# Allegro board reComputer J202_V1.0.brd (continued)
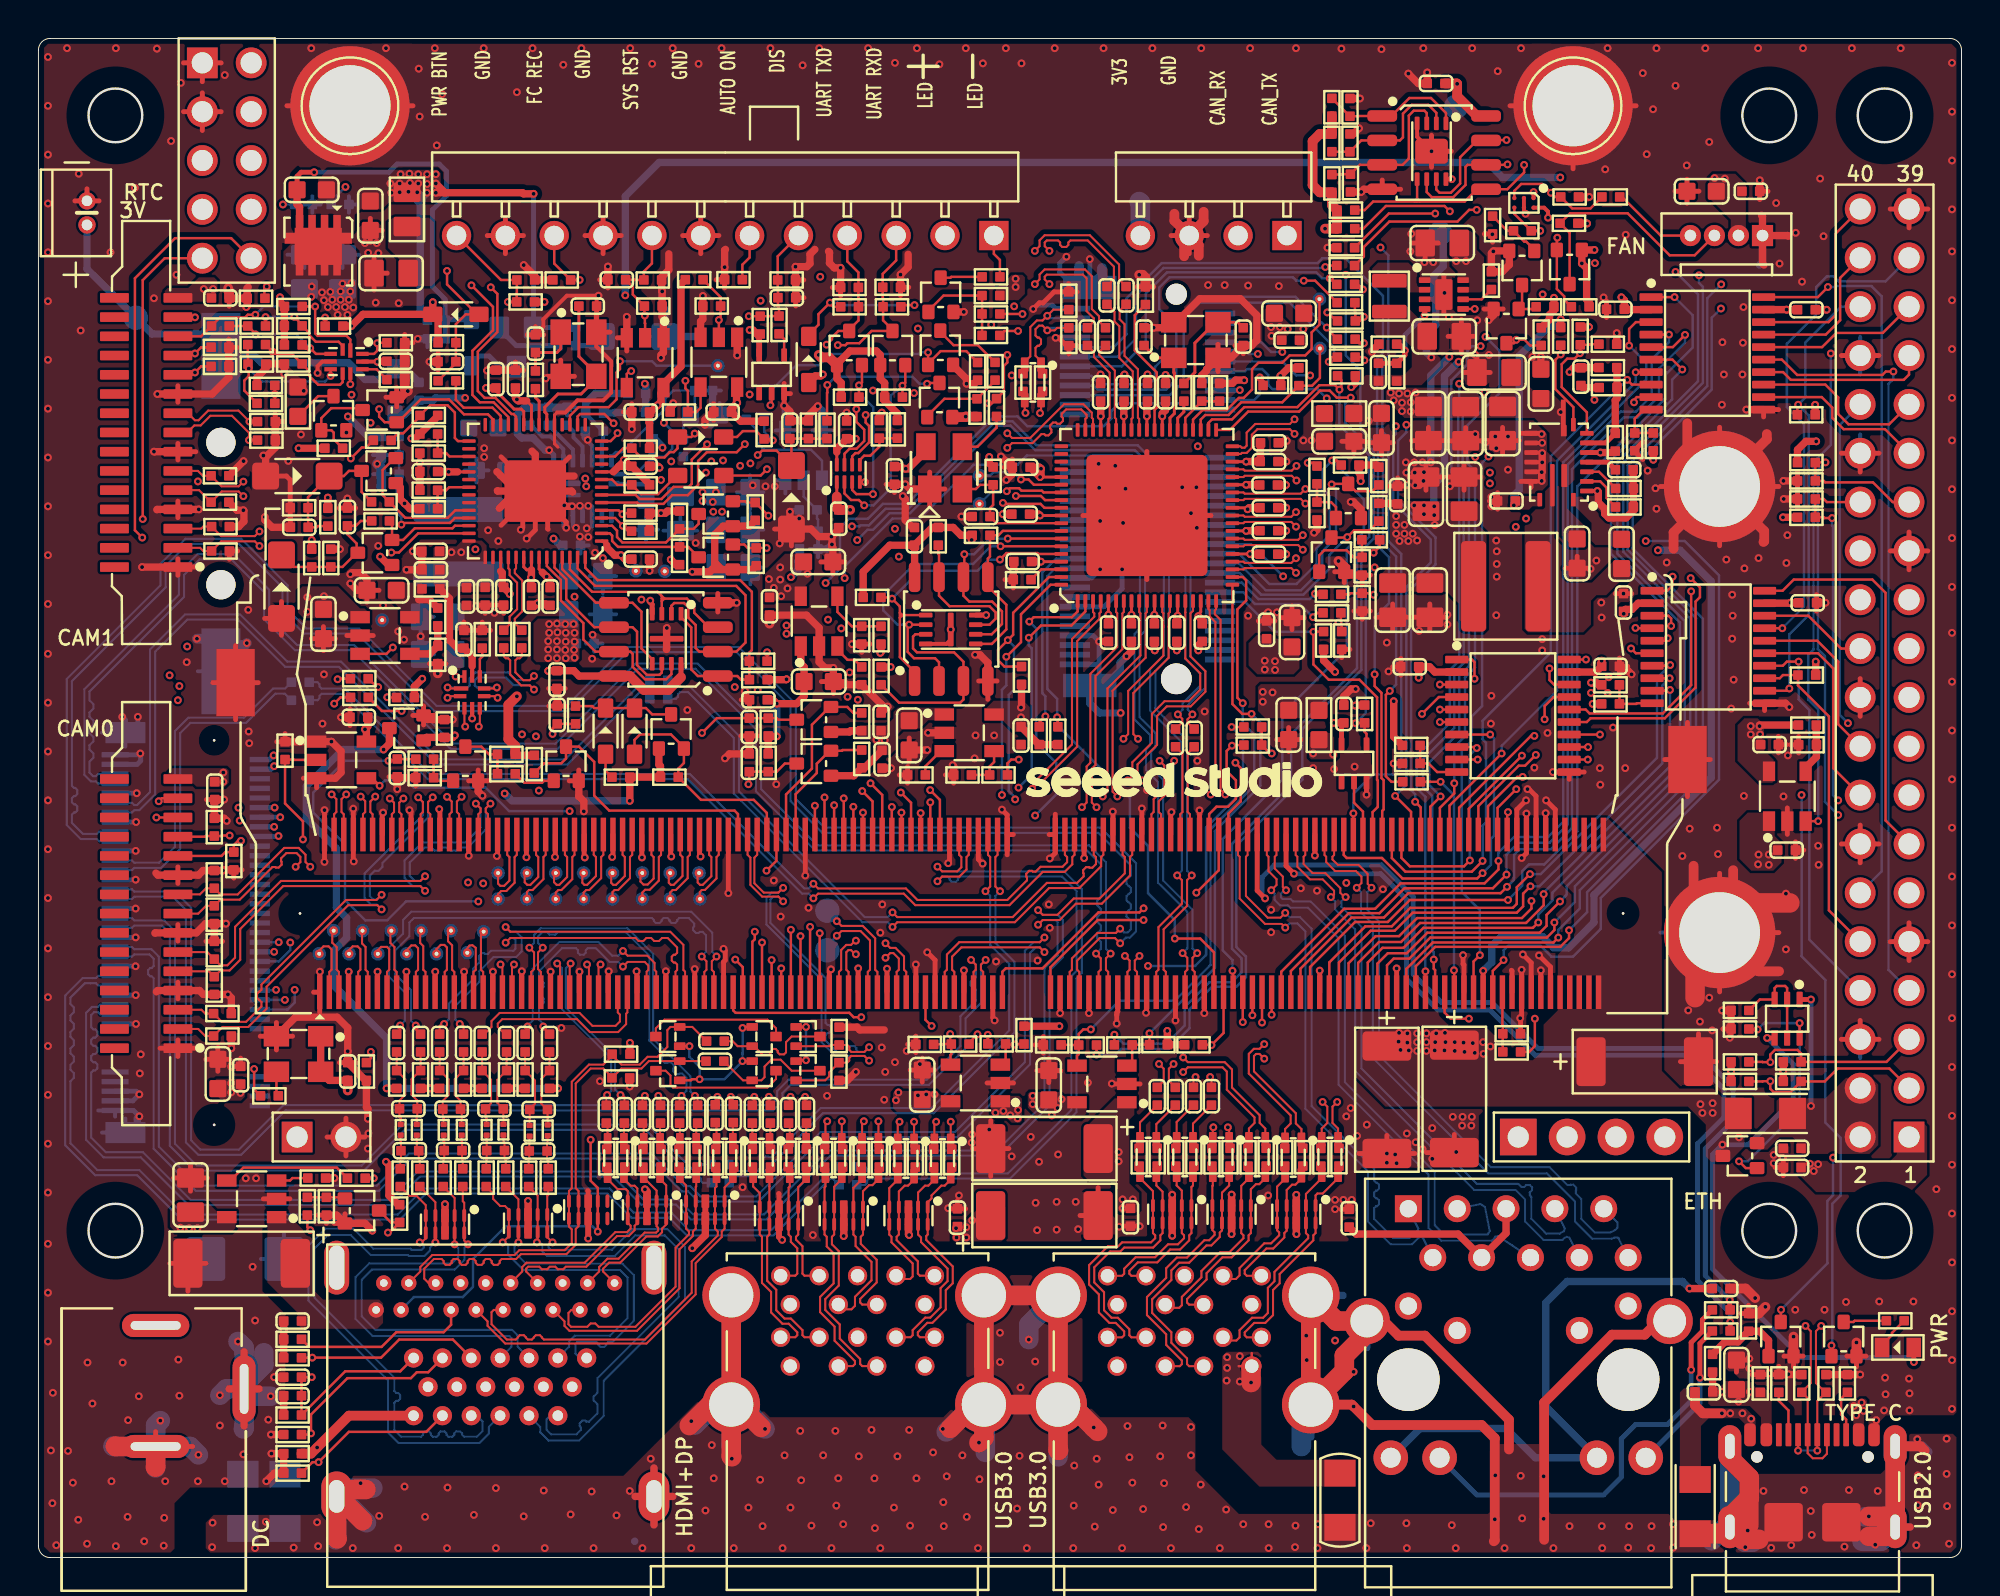
[diagram p0: board, top side]
## Footprints (pads in the part's own frame, mm; a bottom-side part is the same pattern mirrored in y, then rotated) (continued)
R0402
  rrect 0.5x0.5 smd: 1(-0.463,0) 2(0.463,0)
R0603
  rrect 0.889x0.889 smd: 1(-0.762,0) 2(0.762,0)
R0805
  rrect 1.016x1.397 smd: 1(-0.889,0) 2(0.889,0)
R1206
  rect 1.397x1.626 smd: 1(-1.41,0) 2(1.41,0)
RJ45_20P_LPJG0926HENL
  round 3.25 hole 3.25 unplated: (-5.715,0) (5.715,0)
  rect 1.4x1.4 hole 0.9: 1(-5.715,8.89)
  round 1.4 hole 0.9: 2(-4.445,6.35) 3(-3.175,8.89) 4(-1.905,6.35) 5(-0.635,8.89) 6(0.635,6.35) 7(1.905,8.89) 8(3.175,6.35) 9(4.445,8.89) 10(5.715,6.35) 11(-5.715,3.83) 12(-3.175,2.56) 13(3.175,2.56) 14(5.715,3.83)
  round 1.8 hole 1.036: 15(-6.63,-4.06) 16(-4.09,-4.06) 17(4.09,-4.06) 18(6.63,-4.06)
  round 2.4 hole 1.7: 19(-7.875,3.05) 20(7.875,3.05)
SIP4_RA
  rect 1.524x1.524 hole 1.016: 1(0,3.81)
  round 1.524 hole 1.016: 2(0,1.27) 3(0,-1.27) 4(0,-3.81)
SIP12_RA
  rect 1.524x1.524 hole 1.016: 1(0,13.97)
  round 1.524 hole 1.016: 2(0,11.43) 3(0,8.89) 4(0,6.35) 5(0,3.81) 6(0,1.27) 7(0,-1.27) 8(0,-3.81) 9(0,-6.35) 10(0,-8.89) 11(0,-11.43) 12(0,-13.97)
SOD_123
  rrect 1.397x1.397 smd: 1(-1.651,0) 2(1.651,0)
SOD_323
  rrect 1x0.8 smd: 1(-1.2,0) 2(1.2,0)
SOIC8_1D27_4_9X3_9MM
  rrect 0.6x1.55 smd: 1(-1.905,-2.7) 2(-0.635,-2.7) 3(0.635,-2.7) 4(1.905,-2.7) 5(1.905,2.7) 6(0.635,2.7) 7(-0.635,2.7) 8(-1.905,2.7)
SOT23
  rrect 1.016x1.143 smd: 1(-0.889,-1.016) 2(0.889,-1.016) 3(0,1.016)
SOT23-5
  rect 0.635x1.016 smd: 1(-0.953,-1.295) 2(0,-1.295) 3(0.953,-1.295) 4(0.953,1.295) 5(-0.953,1.295)
SOT323
  rrect 0.635x0.762 smd: 1(-0.635,-0.889) 2(0.665,-0.889) 3(0,0.889)
SOT353
  rrect 0.3x0.7 smd: 1(-0.65,-1) 2(0,-1) 3(0.65,-1) 4(0.65,1) 5(-0.65,1)
SOT363
  rrect 0.32x0.81 smd: 1(-0.65,-1) 2(0,-1) 3(0.65,-1) 4(0.65,1) 5(0,1) 6(-0.65,1)
SOT-323-3
  rrect 0.635x0.762 smd: 1(-0.635,-0.889) 2(0.665,-0.889) 3(0,0.889)
SOT_143
  rect 1.219x1.397 smd: 1(-0.75,-1.1)
  rect 1.016x1.397 smd: 2(0.95,-1.1) 3(0.95,1.1) 4(-0.95,1.1)
SOT_523
  rrect 0.4x0.6 smd: 1(0.5,0.62) 2(-0.5,0.62)
  rrect 0.5x0.6 smd: 3(0,-0.62)
TP28C8D
  round 0.45 hole 0.2: 1(0,0)
TP60C_SMD
  round 1.27 smd: 1(0,0)
TSSOP20-0_65-6_5X4_4X1MM
  rrect 0.4x1.2 smd: 1(-2.925,-2.925) 2(-2.275,-2.925) 3(-1.625,-2.925) 4(-0.975,-2.925) 5(-0.325,-2.925) 6(0.325,-2.925) 7(0.975,-2.925) 8(1.625,-2.925) 9(2.275,-2.925) 10(2.925,-2.925) 11(2.925,2.925) 12(2.275,2.925) 13(1.625,2.925) 14(0.975,2.925) 15(0.325,2.925) 16(-0.325,2.925) 17(-0.975,2.925) 18(-1.625,2.925) 19(-2.275,2.925) 20(-2.925,2.925)
UDFN8_0D5_2X3X0_6MM
  rrect 0.25x0.7 smd: 1(-0.75,-1.45) 2(-0.25,-1.45) 3(0.25,-1.45) 4(0.75,-1.45) 5(0.75,1.45) 6(0.25,1.45) 7(-0.25,1.45) 8(-0.75,1.45)
  rrect 1.7x1.3 smd: 9(0,0)
USB2_0_TYPE_C_LONG
  round 0.6 hole 0.6 unplated: (-1.1,2.89) (-1.1,-2.89)
  rrect 1.2x0.3 smd: A5(0.05,1.25) A6(0.05,0.25) A7(0.05,-0.25) A8(0.05,-1.25) B5(0.05,-1.75) B6(0.05,-0.75) B7(0.05,0.75) B8(0.05,1.75)
  rrect 1.2x0.6 smd: B1(0.05,-3.2) B4(0.05,-2.4) B9(0.05,2.4) B12(0.05,3.25)
  oval 2.2x1.2 hole 1.3x0.5: S1(-4.75,4.3) S2(-0.55,4.3) S3(-4.75,-4.3) S4(-0.55,-4.3)
  rrect 2x2 smd: S5(-4.5,1.5) S6(-4.5,-1.5)
USB3_1_2D0_17_5X13_6X15_69MM
  round 1 hole 0.7: 1(-3.5,2) 2(-1,2) 3(1,2) 4(3.5,2) 5(4,3.5) 6(2,3.5) 7(0,3.5) 8(-2,3.5) 9(-4,3.5) 10(-3.5,5.2) 11(-1,5.2) 12(1,5.2) 13(3.5,5.2) 14(4,6.7) 15(2,6.7) 16(0,6.7) 17(-2,6.7) 18(-4,6.7)
  round 3 hole 2.3: 19(-6.57,5.68) 20(-6.57,0) 21(6.57,0) 22(6.57,5.68)
USON8_0D5_3X2X0_6MM
  rrect 0.25x0.7 smd: 1(-0.75,-1.3) 2(-0.25,-1.3) 3(0.25,-1.3) 4(0.75,-1.3) 5(0.75,1.3) 6(0.25,1.3) 7(-0.25,1.3) 8(-0.75,1.3)
  rrect 1.75x0.3 smd: 9(0,0)
USON10_0D5_2D5X1X0D5MM
  oval 0.2x0.7 smd: 1(-1,-0.45) 2(-0.5,-0.45) 4(0.5,-0.45) 5(1,-0.45) 6(1,0.45) 7(0.5,0.45) 9(-0.5,0.45) 10(-1,0.45)
  rrect 0.4x0.7 smd: 3(0,-0.45) 8(0,0.45)
WQFN10_0D4_1_8X1_4X0_75MM
  rect 0.22x0.75 smd: 1(-0.2,-0.575)
  rect 0.22x0.65 smd: 2(0.2,-0.625) 6(0.2,0.625) 7(-0.2,0.625)
  rect 0.65x0.22 smd: 3(0.825,-0.4) 4(0.825,0) 5(0.825,0.4) 8(-0.825,0.4) 9(-0.825,0) 10(-0.825,-0.4)
X2SON8_0D4_1_8X1_2X0_4MM
  rrect 0.2x0.7 smd: 1(-0.6,-0.45) 2(-0.2,-0.45) 3(0.2,-0.45) 4(0.6,-0.45) 5(0.6,0.45) 6(0.2,0.45) 7(-0.2,0.45) 8(-0.6,0.45)
X4-SMD-3_2X2_5X1_0MM
  rect 1.321x1.067 smd: 1(-1.15,-0.925) 2(1.15,-0.925) 3(1.15,0.925) 4(-1.15,0.925)

## Nets
1V1_MCU: C96.1 C98.1 C143.1 U29.23 U29.45(VREG_VOUT) U29.50
3V3_LDO: C99.1 FB3.1 R125.1 U24.5(OUT)
3V3_MCU: C79.1 C80.1 C94.1 C95.1 C97.1 C100.1 C106.1 C107.1 C122.1 C125.1 C135.1 C142.1 D41.2(C) FB3.2 J17.7 Q20.1 Q23.1 R111.1 R133.1 R136.1 R138.1 R143.2 R146.1 R150.1 R156.1 R162.2 R168.1 R201.1 R207.1 R211.1 R228.1 U20.9(VCC) U22.8 U23.8 U29.1 U29.10 U29.22 U29.33 U29.42 U29.43 U29.44 U29.48 U29.49 U33.5 U34.5
3V3_MCU_FB: R118.1 R125.2 U24.4
GND: C1.1 C2.2 C3.2 C4.2 C5.2 C6.2 C7.2 C8.2 C9.2 C10.2 C11.2 C12.2 C13.2 C14.2 C19.2 C20.2 C37.2 C38.2 C43.2 C44.2 C45.2 C46.2 C47.2 C48.2 C59.2 C60.2 C61.2 C62.2 C63.2 C64.2 C67.2 C68.2 C69.2 C70.2 C71.2 C72.2 C73.2 C74.1 C75.2 C76.2 C77.1 C78.2 C79.2 C80.2 C81.2 C82.2 C83.2 C84.2 C85.2 C86.2 C87.2 C88.2 C89.2 C90.1 C91.2 C92.2 C93.2 C94.2 C95.2 C96.2 C97.2 C98.2 C99.2 C100.2 C101.2 C102.2 C103.2 C105.2 C106.2 C107.2 C108.2 C109.2 C110.2 C111.1 C112.2 C113.2 C114.2 C115.2 C116.2 C117.2 C118.2 C119.2 C120.2 C121.2 C122.2 C123.2 C124.2 C125.2 C126.2 C127.2 C128.2 C129.2 C130.2 C131.2 C132.2 C133.2 C134.2 C135.2 C136.2 C137.2 C138.2 C139.2 C140.2 C142.2 C143.2 C145.2 C146.2 C147.2 C148.2 C149.2 C152.2 C153.2 C154.2 C155.2 C156.1 C157.2 C158.2 C159.2 C162.2 C163.2 C164.2 C165.2 C166.2 C168.2 C169.1 C178.2 C179.2 C180.2 C181.2 C182.2 C183.2 C184.2 C185.2 C186.2 C187.2 C188.2 C190.2 C191.2 C193.2 C194.2 C195.2 C196.2 C197.2 C198.2 C199.2 C200.2 D1.1 D2.1 D3.1 D4.1 D5.1 D6.1 D7.1 D8.1 D9.1 D10.1 D11.1 D12.1 D13.1 D14.1 D15.1 D16.1 D17.1 D18.1 D19.1 D22.1 D23.1 D24.1 D25.1 D26.1 D27.1 D28.1 D29.1 D30.1 D31.1 D33.1 D35.1 D36.1 D37.1 D39.1 D40.1 D42.1 D43.1 D44.1 D45.1 D46.1 D47.1 D48.1 D49.1 D50.1 D53.1 D54.1 D55.1 J1.B1 J1.B12 J2.2 J2.3 J3.4 J3.7 J3.13 J3.16 J4.4 J4.7 J4.13 J4.16 J5.A2 J5.A5 J5.A8 J5.A11 J5.A17 J5.B2 J5.B5 J5.B8 J5.B11 J5.B16 J5.B19 J7.2 J9.1 J9.4 J9.7 J9.10 J10.6 J10.9 J10.14 J10.20 J10.25 J10.30 J10.34 J10.39 J11.1 J11.2 J11.7 J11.8 J11.13 J11.14 J11.19 J11.20 J11.25 J11.26 J11.31 J11.32 J11.37 J11.38 J11.43 J11.44 J11.49 J11.50 J11.55 J11.56 J11.61 J11.62 J11.67 J11.68 J11.73 J11.74 J11.79 J11.80 J11.85 J11.86 J11.102 J11.107 J11.113 J11.119 J11.125 J11.129 J11.132 J11.135 J11.138 J11.141 J11.144 J11.146 J11.147 J11.152 J11.153 J11.158 J11.159 J11.164 J11.165 J11.170 J11.171 J11.176 J11.177 J11.200 J11.201 J11.217 J11.231 J11.241 J11.242 J11.243 J11.244 J11.245 J11.246 J11.247 J11.248 J11.249 J11.250 J11.261 J11.262 J12.1 J12.4 J12.7 J12.10 J13.1 J14.1 J15.7 J15.9 J15.11 J16.3 J17.1 J17.3 J18.1 J18.3 J18.9 J18.15 J18.21 J18.27 J18.33 J18.39 J18.45 J18.51 J18.57 J18.71 J18.73 J18.75 J18.76 J18.77 J19.1(BAT-) J20.1 J20.7 J20.18 J20.33 J20.39 J20.45 J20.51 J20.57 J20.63 J20.69 J20.75 J20.76 J20.77 MH1.1(NC) MH2.1(NC) MH3.1(NC) MH4.1(NC) OSC1.2 Q1.2(EMITTER) Q2.2(S) Q3.2(EMITTER) Q12.2(EMITTER) Q13.2(EMITTER) Q16.2(S) Q19.2(S) Q22.2(S) Q24.2(S) Q25.2(S) Q29.2(S) Q30.2(S) Q31.2(S) Q32.2(S) R1.1 R2.2 R3.2 R5.2 R7.2 R12.2 R14.2 R65.2 R66.1 R70.2 R74.2 R77.1 R79.2 R80.2 R82.2 R85.2 R86.2 R90.1 R95.2 R98.2 R101.2 R107.1 R114.2 R118.2 R119.2 R122.2 R129.2 R131.2 R144.2 R145.2 R148.2 R149.2 R155.2 R157.2 R158.1 R164.2 R166.2 R170.2 R178.1 R186.2 R189.2 R198.2 R199.2 R200.2 R219.2 R221.2 R222.2 R225.2 R229.2 R232.2 R233.2 R238.2 R240.2 R242.2 R243.2 R245.1 R246.2 R250.2 R251.2 R252.2 R256.2 R258.2 R261.2 R263.2 R265.2 R267.2 U1.3 U1.8 U2.3 U2.8 U3.3 U3.8 U4.3 U4.8 U5.3 U5.8 U6.3 U6.8 U7.3 U7.8 U8.3 U8.8 U9.3 U9.8 U10.3 U10.8 U11.3 U11.8 U12.2 U13.2 U14.2 U15.2 U16.3 U17.1 U17.3 U18.2 U19.11 U20.4 U21.11 U22.4 U23.4 U23.9 U24.2 U25.4 U25.9 U26.4 U27.2 U28.77 U29.19 U29.57 U30.4 U31.1 U32.1 U32.5 U32.10 U32.11 U32.12 U32.13 U32.14 U32.15 U33.3 U34.1 U34.3 U35.1 U35.3 U36.4 U37.11 U38.1 U38.3 U38.9 U39.B1 U39.B2 U40.4 U41.4 U41.9 U42.1 U42.5 U42.10 U42.11 U42.12 U42.13 U42.14 U42.15 U43.3 U43.4 U43.5 X1.2 X1.4 X2.2 X2.4
GND_SHD: C1.2 C169.2 J1.S1 J1.S2 J1.S3 J1.S4 J1.S5 J1.S6 J3.19 J3.20 J3.21 J3.22 J4.19 J4.20 J4.21 J4.22 J5.S1 J5.S3 J5.S4(SHIELD_4) J6.19 J6.20 R1.2 R245.2
VBUSDET: R178.2 R179.2 U28.43
VCC_3V3_SQ1: C183.1 R248.1 U42.16(VCC)
VCC_3V3_SQ2: C119.1 R204.1 U32.16(VCC)
VDD_1V05: C131.1 C141.1 C148.1 FB4.1 L28.2 R194.1 TP42.1(TP)
VDD_1V05_HUB: C81.1 C82.1 C83.1 C84.1 C109.1 C114.1 C115.1 C120.1 C126.1 C127.1 C128.1 C137.1 C138.1 C139.1 FB4.2 U28.5 U28.8 U28.11 U28.14 U28.27 U28.30 U28.33 U28.36 U28.48(VDD_4) U28.51 U28.54 U28.67
VDD_1V8: C64.1 C74.2 C77.2 C90.2 C111.2 C156.2 C168.1 Q18.1 Q21.1 Q27.1 Q28.1 Q33.1 R10.1 R89.1 R94.1 R96.1 R104.1 R108.1 R110.1 R124.1 R132.1 R141.1 R159.1 R167.1 R175.1 R176.1 R218.1 R226.1 R234.1 R236.1 R239.1 R241.1 R244.1 TP30.1(TP) U15.5(OUT) U16.5 U19.2 U21.2 U30.1 U37.2 U39.A2(VCCB) U40.8 U41.8
VDD_1V8_FB: R98.1 R104.2 U15.4
VDD_3V3_DISCHG: Q24.3 R174.2
VDD_3V3_DP: C6.1 C8.1 J5.B20 R68.1 U12.1(OUT)
VDD_3V3_HDMI: C63.1 C68.1 C71.1 Q14.1 Q15.1 Q16.1 Q17.1 R83.1 R84.1 R93.1 R101.1 R105.1 R123.1 U18.1(OUT)
VDD_3V3_HUB: C70.1 C85.1 C102.1 C103.1 C124.1 C140.1 FB2.2 R179.1 U28.17 U28.24 U28.46 U28.62 U28.73
VDD_3V3_SYS: C7.1 C13.1 C14.1 C45.1 C46.1 C47.1 C59.1 C60.1 C67.1 C78.1 C86.1 C87.1 C91.1 C92.1 C93.1 C108.1 C116.1 C117.1 C118.1 C121.1 C129.1 C144.2 C146.1 C149.1 C154.1 C155.1 C158.1 C164.1 D38.1 FB2.1 J6.15 J6.17 J9.15 J10.1 J10.17 J12.15 J16.4 J18.2 J18.4 J18.12 J18.14 J18.16 J18.18 J18.70 J18.72 J18.74 J20.2 J20.4 J20.72 J20.74 L26.2 OSC1.1 OSC1.4(VDD) R56.1 R67.1 R72.1 R73.1 R78.1 R99.1 R100.1 R106.1 R113.1 R115.1 R116.1 R127.1 R134.1 R135.1 R139.1 R142.1 R151.1 R152.1 R153.1 R154.1 R169.1 R174.1 R181.1 R182.1 R187.1 R188.1 R191.2 R192.1 R193.1 R196.1 R210.1 R220.1 R262.1 U12.5 U15.1 U18.5 U19.19(VCCB) U21.19(VCCB) U25.8 U26.8 U30.8(VCCB) U31.4(VCC) U36.9(VCC) U37.19(VCCB) U38.7 U38.8
VDD_5V0_HDMI_CON: C75.1 C76.1 D2.2 J5.A18 R91.1 R102.1 U27.1(OUT)
VDD_5V_GPIO: C20.1 J10.2 J10.4 Q4.2(S) Q11.1 R55.2
VDD_5V_SYS: C37.1 C38.1 C43.1 C44.1 C48.1 C72.1 C88.1 C89.1 C101.1 C136.1 C166.1 C178.1 C179.1 C180.1 C181.1 C182.1 C192.2 C193.1 J11.251 J11.252 J11.253 J11.254 J11.255 J11.256 J11.257 J11.258 J11.259 J11.260 J13.2 J15.2 L29.2 LED1.1 Q4.3 Q11.4(E2) R55.1 R140.1 R161.1 R163.1 R203.1 R217.1 R224.1 R235.1 R255.2 U13.5 U14.5 U17.5 U24.1 U27.5 U35.5 U39.A1
VDD_DCIN: C105.1 C132.1 C133.1 C134.1 C184.1 C185.1 C186.1 C188.1 C194.1 C195.1 C196.1 C197.1 C198.1 C199.1 Q26.2(S) Q34.5 R130.1 R171.2 R205.1 R247.1 R249.1 U32.9 U32.18 U42.9 U42.18
VDD_VBUS_A: C10.1 C12.1 J4.1 J4.10(VBUS_1) U14.1(OUT)
VDD_VBUS_B: C11.1 C19.1 J3.1 J3.10(VBUS_1) U13.1(OUT)
ADC0: C110.1 D33.2(C) Q23.3 R140.2 R144.1 R147.2
ADC2: C112.1 D23.2(C) Q20.3 R130.2 R131.1 R137.2
AUTO_ON_DIS: J15.6 R229.1
BBAT: D51.2(C) J11.235 R254.1
BBAT_CONN: D51.1 J14.2 J19.2 R254.2 TP40.1(TP)
BMCU_ACOK: C159.1 D49.2 J15.5 R211.2 R212.1 U29.14
BMCU_PGOOD: R160.1 R168.2 U29.29
BMCU_POWER_EN: R222.1 R228.2 U29.16 U35.2
BMCU_PWR_BTN*: D32.1 R150.2 U29.9
BRD_ID_A0: R243.1 R244.2 U40.1 U41.1
BRD_ID_A1: R241.2 R242.1 U40.2 U41.2
BRD_ID_A2: R239.2 R240.1 U40.3 U41.3
BRD_ID_WP: R232.1 U40.7(WP) U41.7(WP)
BT_EN: Q22.1 R264.2 R265.1
BT_M2_EN: J11.126 R264.1
BT_M2_WAKE_AP: J11.124 J20.20 R182.2
BUCK_3V3_EN: Q25.1 R198.1 R205.2 U29.27 U32.7 U34.4(Y)
BUCK_3V3_PG: R13.1 R160.2 R172.1 R204.2 R261.1 U15.3 U32.8 U38.5
BUCK_5V_PG: Q29.1 R189.1 R248.2 U24.3 U33.2 U42.8
BUF_EN: R166.1 R167.2 U30.5
CAM0_I2C_SCL: J12.13 R208.2 R220.2 U36.1
CAM0_I2C_SDA: J12.14 R173.2 R181.2 U36.7
CAM0_MCLK: D39.2 J11.116 J12.12
CAM0_PWDN: D37.2 J11.114 J12.11
CAM1_I2C_SCL: J9.13 R209.2 R210.2 U36.2
CAM1_I2C_SDA: J9.14 R193.2 R197.2 U36.6
CAM1_MCLK: D19.2 J9.12 J11.122
CAM1_PWDN: D18.2 J9.11 J11.120
CAM_I2C_SCL: J11.213 R196.2 R208.1 R209.1 U28.66 U36.3
CAM_I2C_SDA: J11.215 R173.1 R192.2 R197.1 U28.65 U36.5
CAM_MUX_OE*: R186.1 U36.8
CAM_MUX_SEL: J11.130 R200.1 U36.10
CAN_RX: J11.143 J16.2
CAN_TX: J11.145 J16.1
CSI0_CLK_N: D35.2 J11.10 J12.8
CSI0_CLK_P: D36.2 J11.12 J12.9
CSI0_D0_N: D25.2 J11.4 J12.2
CSI0_D0_P: D26.2 J11.6 J12.3
CSI0_D1_N: D27.2 J11.16 J12.5
CSI0_D1_P: D31.2 J11.18 J12.6
CSI1_CLK_N: J11.9 TP2.1(TP)
CSI1_CLK_P: J11.11 TP9.1(TP)
CSI1_D0_N: J11.3 TP1.1(TP)
CSI1_D0_P: J11.5 TP8.1(TP)
CSI1_D1_N: J11.15 TP3.1(TP)
CSI1_D1_P: J11.17 TP10.1(TP)
CSI2_CLK_N: D16.2 J9.8 J11.28
CSI2_CLK_P: D17.2 J9.9 J11.30
CSI2_D0_N: D12.2 J9.2 J11.22
CSI2_D0_P: D13.2 J9.3 J11.24
CSI2_D1_N: D14.2 J9.5 J11.34
CSI2_D1_P: D15.2 J9.6 J11.36
CSI3_CLK_N: J11.27 TP5.1(TP)
CSI3_CLK_P: J11.29 TP12.1(TP)
CSI3_D0_N: J11.21 TP4.1(TP)
CSI3_D0_P: J11.23 TP11.1(TP)
CSI3_D1_N: J11.33 TP6.1(TP)
CSI3_D1_P: J11.35 TP7.1(TP)
CSI4_CLK_N: J11.52 TP23.1(TP)
CSI4_CLK_P: J11.54 TP15.1(TP)
CSI4_D0_N: J11.46 TP22.1(TP)
CSI4_D0_P: J11.48 TP14.1(TP)
CSI4_D1_N: J11.58 TP24.1(TP)
CSI4_D1_P: J11.60 TP16.1(TP)
CSI4_D2_N: J11.40 TP21.1(TP)
CSI4_D2_P: J11.42 TP13.1(TP)
CSI4_D3_N: J11.64 TP25.1(TP)
CSI4_D3_P: J11.66 TP17.1(TP)
CSI5_CLK_N: J11.76 TP27.1(TP)
CSI5_CLK_P: J11.78 TP19.1(TP)
CSI5_D0_N: J11.70 TP26.1(TP)
CSI5_D0_P: J11.72 TP18.1(TP)
CSI5_D1_N: J11.82 TP28.1(TP)
CSI5_D1_P: J11.84 TP20.1(TP)
DAT_CC1: J1.A5 R2.1
DAT_CC2: J1.B5 R3.1
DCIN_SENSE: C187.1 R246.1 R247.2 U43.2
DCJ_IN: C165.1 C167.1 D50.2 J2.1 J7.1 Q34.1 Q34.2 Q34.3(S3) Q35.2(E) R237.1 R259.1 R260.1
DISCHG_3V3_SYS: Q24.1 Q25.3 R161.2
DP0_AUX_N: J11.90 Q10.2(S) R77.2
DP0_AUX_P: J11.92 Q7.2(S) R66.2
DP0_AUX_Q_N: Q8.3 Q9.3
DP0_AUX_Q_P: Q5.3 Q6.3
DP0_AUX_R_N: C58.1 Q9.2(S) Q10.3
DP0_AUX_R_P: C49.1 Q6.2(S) Q7.3
DP0_HPD: J11.88 Q12.3 R89.2
DP0_HPD_B: Q12.1 R88.1
DP0_HPD_C: Q13.3 R88.2 R94.2
DP0_TXD0_N: C23.1 J11.39
DP0_TXD0_P: C24.1 J11.41
DP0_TXD1_N: C26.1 J11.45
DP0_TXD1_P: C25.1 J11.47
DP0_TXD2_N: C21.1 J11.51
DP0_TXD2_P: C22.1 J11.53
DP0_TXD3_N: C32.1 J11.57
DP0_TXD3_P: C31.1 J11.59
DP_CON_AUXN: C58.2 J5.B17 Q8.2(S) R68.2 U9.5 U9.6(NC4)
DP_CON_AUXP: C49.2 J5.B15 Q5.2(S) R65.1 U9.4 U9.7
DP_CON_LANE0_N: J5.B3 L4.3 R24.2 U10.2 U10.9
DP_CON_LANE0_P: J5.B1 L4.2 R36.2 U10.1 U10.10
DP_CON_LANE1_N: J5.B6 L5.2 R37.2 U11.4 U11.7
DP_CON_LANE1_P: J5.B4 L5.3 R25.2 U11.5 U11.6(NC4)
DP_CON_LANE2_N: J5.B9 L3.3 R23.2 U10.5 U10.6(NC4)
DP_CON_LANE2_P: J5.B7 L3.2 R35.2 U10.4 U10.7
DP_CON_LANE3_N: J5.B12 L6.2 R38.2 U11.1 U11.10
DP_CON_LANE3_P: J5.B10 L6.3 R26.2 U11.2 U11.9
DP_HPD_CON: C61.1 J5.B18 R92.2 U9.2 U9.9
DP_HPD_CON_R: Q13.1 R82.1 R92.1
DP_ILIM: R14.1 U12.3
DP_LANE0_N: C23.2 L4.4 R24.1
DP_LANE0_P: C24.2 L4.1 R36.1
DP_LANE1_N: C26.2 L5.1 R37.1
DP_LANE1_P: C25.2 L5.4 R25.1
DP_LANE2_N: C21.2 L3.4 R23.1
DP_LANE2_P: C22.2 L3.1 R35.1
DP_LANE3_N: C32.2 L6.1 R38.1
DP_LANE3_P: C31.2 L6.4 R26.1
DP_MODE: J5.B13 R95.1 U17.2
DP_MODE_LS: Q5.1 Q6.1 Q8.1 Q9.1 U17.4(Y)
DP_SW_EN: R13.2 U12.4
EN_SQ1: C191.1 R249.2 R256.1 U42.7
EPWRON: TP34.1(TP) U28.63
FAN_PWM: J11.230 R271.1 U39.C2
FAN_PWM_Q*: J13.4 R270.2
FAN_PWM_R: Q32.1 R233.1 R271.2
FAN_TACH: J11.208 Q33.2(S) R218.2
FAN_TACH_CON: J13.3 Q33.3 R235.2
FBS_SQ1: R250.1 R253.1 R255.1 U42.6
FBS_SQ2: R157.1 R180.1 R191.1 U32.6
FORCE_OFF*: C130.1 D29.2(C) D34.1 R156.2 R164.1 R165.2 U29.12
FORCE_RECOVERY*: D47.2 J11.214 J15.10
GBE_LED_ACT: J11.194 R6.1
GBE_LED_LINK: J11.188 R9.1
GBE_MDI0_N: J6.2 J11.184
GBE_MDI0_P: J6.1 J11.186
GBE_MDI1_N: J6.6 J11.190
GBE_MDI1_P: J6.3 J11.192
GBE_MDI2_N: J6.8 J11.196
GBE_MDI2_P: J6.7 J11.198
GBE_MDI3_N: J6.10 J11.202
GBE_MDI3_P: J6.9 J11.204
GPIO01: J11.118 U37.9
GPIO01_LS: J10.29 U37.12
GPIO07: J11.206 U19.7
GPIO07_LS: J10.32 U19.14
GPIO09: J11.211 U37.6
GPIO09_LS: J10.7 U37.15
GPIO11: J11.216 U37.8
GPIO11_LS: J10.31 U37.13
GPIO12: J11.218 U19.8
GPIO12_LS: J10.15 U19.13
GPIO13: J11.228 U37.7
GPIO13_LS: J10.33 U37.14
GREEN_LED: J6.16 R9.2
HDMI_CEC: D21.1 J11.94 Q15.2(S) R84.2
HDMI_CEC_CON: C73.1 D8.2 J5.A13 L25.2
HDMI_CEC_Q: D20.2(C) D21.2(C) L25.1 Q15.3
HDMI_DDC_SCL: J11.100 Q14.2(S) R93.2
HDMI_DDC_SCL_5V0: C62.1 D3.2 J5.A15 Q14.3 R91.2
HDMI_DDC_SDA: J11.98 Q17.2(S) R105.2
HDMI_DDC_SDA_5V0: C69.1 D1.2 J5.A16 Q17.3 R102.2
HDMI_HPD: J11.96 Q3.3 R10.2
HDMI_HPD_CON: C2.1 C4.1 D4.2 J5.A19 R11.2
HDMI_TX0_N: C52.1 J11.75
HDMI_TX0_P: C53.1 J11.77
HDMI_TX1_N: C57.1 J11.69
HDMI_TX1_P: C56.1 J11.71
HDMI_TX2_N: C54.1 J11.63
HDMI_TX2_P: C55.1 J11.65
HDMI_TXC_CON_LC_N: C36.2 C51.2 L20.1 R58.2
HDMI_TXC_CON_LC_P: C36.1 C50.2 L19.1 R57.2
HDMI_TXC_CON_N: J5.A12 R16.2 U1.4 U1.7
HDMI_TXC_CON_P: J5.A10 R15.2 U1.5 U1.6(NC4)
HDMI_TXC_CON_R_N: C16.2 L20.2 R16.1
HDMI_TXC_CON_R_P: C16.1 L19.2 R15.1
HDMI_TXC_N: C51.1 J11.81
HDMI_TXC_P: C50.1 J11.83
HDMI_TXD0_CON_LC_N: C34.2 C52.2 L21.1 R59.2
HDMI_TXD0_CON_LC_P: C34.1 C53.2 L22.1 R60.2
HDMI_TXD0_CON_N: J5.A9 R17.2 U1.2 U1.9
HDMI_TXD0_CON_P: J5.A7 R18.2 U1.1 U1.10
HDMI_TXD0_CON_R_N: C17.2 L21.2 R17.1
HDMI_TXD0_CON_R_P: C17.1 L22.2 R18.1
HDMI_TXD1_CON_LC_N: C33.2 C57.2 L18.1 R64.2
HDMI_TXD1_CON_LC_P: C33.1 C56.2 L17.1 R63.2
HDMI_TXD1_CON_N: J5.A6 R22.2 U2.1 U2.10
HDMI_TXD1_CON_P: J5.A4 R21.2 U2.2 U2.9
HDMI_TXD1_CON_R_N: C15.2 L18.2 R22.1
HDMI_TXD1_CON_R_P: C15.1 L17.2 R21.1
HDMI_TXD2_CON_LC_N: C35.2 C54.2 L23.1 R61.2
HDMI_TXD2_CON_LC_P: C35.1 C55.2 L24.1 R62.2
HDMI_TXD2_CON_N: J5.A3 R19.2 U2.5 U2.6(NC4)
HDMI_TXD2_CON_P: J5.A1 R20.2 U2.4 U2.7
HDMI_TXD2_CON_R_N: C18.2 L23.2 R19.1
HDMI_TXD2_CON_R_P: C18.1 L24.2 R20.1
HUB_HSD1_N: L10.4 R28.1 U28.10
HUB_HSD1_P: L10.1 R40.1 U28.9
HUB_HSD2_N: L9.4 R27.1 U28.19
HUB_HSD2_P: L9.1 R39.1 U28.18
HUB_HSD3_N: L15.4 R46.1 U28.23
HUB_HSD3_P: L15.1 R52.1 U28.22
HUB_HSD4_N: L14.4 R45.1 U28.38
HUB_HSD4_P: L14.1 R51.1 U28.37
HUB_RESET: C113.1 R151.2 U28.68 U31.2
HUB_REXT: R225.1 U28.47
HUB_SPI_SI: R135.2 U25.5 U26.5 U28.69
HUB_SSRX1_N: L1.1 R30.1 U28.7
HUB_SSRX1_P: L1.4 R29.1 U28.6
HUB_SSRX2_N: L2.1 R34.1 U28.16
HUB_SSRX2_P: L2.4 R33.1 U28.15
HUB_SSRX3_N: L11.1 R53.1 U28.29
HUB_SSRX3_P: L11.4 R47.1 U28.28
HUB_SSRX4_N: L16.1 R54.1 U28.35
HUB_SSRX4_P: L16.4 R48.1 U28.34
HUB_SSTX1_C_N: C30.2 L8.1 R41.1
HUB_SSTX1_C_P: C29.2 L8.4 R42.1
HUB_SSTX1_N: C30.1 U28.4
HUB_SSTX1_P: C29.1 U28.3
HUB_SSTX2_C_N: C28.2 L7.1 R32.1
HUB_SSTX2_C_P: C27.2 L7.4 R31.1
HUB_SSTX2_N: C28.1 U28.13
HUB_SSTX2_P: C27.1 U28.12
HUB_SSTX3_C_N: C42.2 L13.1 R50.1
HUB_SSTX3_C_P: C41.2 L13.4 R44.1
HUB_SSTX3_N: C42.1 U28.26
HUB_SSTX3_P: C41.1 U28.25
HUB_SSTX4_C_N: C40.2 L12.1 R49.1
HUB_SSTX4_C_P: C39.2 L12.4 R43.1
HUB_SSTX4_N: C40.1 U28.32
HUB_SSTX4_P: C39.1 U28.31
HUB_TEST: R129.1 U28.74
HUB_USBOC0: R187.2 TP38.1(TP) U28.41
HUB_USBOC1: R76.1 R78.2 U14.3 U28.1
HUB_USBOC2: R76.2 R115.2 U28.75
HUB_USBOC3: R71.1 R73.2 U13.3 U28.20
HUB_USBOC4: R71.2 R188.2 U28.40
HUB_USBPE0: TP39.1(TP) U28.42
HUB_USBPE1: R74.1 R75.2 U14.4 U28.2
HUB_USBPE2: R75.1 U28.76
HUB_USBPE3: R69.2 R70.1 U13.4 U28.21
HUB_USBPE4: R69.1 U28.39
HUP_SPI_CLK: U25.6 U26.6 U28.70
HUP_SPI_CS: R127.2 U25.1 U26.1 U28.72
HUP_SPI_HOLD: R134.2 U25.7 U26.7
HUP_SPI_SO: U25.2 U26.2 U28.71
HUP_SPI_WP: R113.2 U25.3(W\P\_IO2) U26.3(W\P\_IO2)
I2C1_SCL: D10.2 J10.5 J11.189 R67.2
I2C1_SDA: D9.2 J10.3 J11.191 R56.2
I2C2_M2E_SCL: J20.60 R126.2
I2C2_M2E_SDA: J20.58 R128.2
I2C2_M2M_SCL: J18.40 R109.2
I2C2_M2M_SDA: J18.42 R112.2
I2C2_SCL: D22.2 J11.232 Q21.2(S) R109.1 R126.1 R141.2 R234.2 U40.6 U41.6
I2C2_SDA: D24.2 J11.234 Q18.2(S) R112.1 R128.1 R132.2 R236.2 U40.5 U41.5
I2S0_LRCK: J11.197 U37.5
I2S0_LRCK_LS: J10.35 U37.16
I2S0_SCLK: J11.199 U37.1
I2S0_SCLK_LS: J10.12 U37.20
I2S0_SDIN: J11.195 U37.4
I2S0_SDIN_LS: J10.38 U37.17
I2S0_SDOUT: J11.193 U37.3
I2S0_SDOUT_LS: J10.40 U37.18
I2S1_LRCK: J11.224 J20.10
I2S1_SCLK: J11.226 J20.8
I2S1_SDIN: J11.222 J20.12
I2S1_SDOUT: J11.220 J20.14
ID_I2C_SCL: D28.2 J10.28 J11.185 R139.2
ID_I2C_SDA: D30.2 J10.27 J11.187 R154.2
IFP_TERM_EN: Q16.3 R57.1 R58.1 R59.1 R60.1 R61.1 R62.1 R63.1 R64.1
ILMT_SQ1: R251.1 U42.2
ILMT_SQ2: R145.1 U32.2
LED0_CTRL: Q2.1 R97.2 R103.2
LED1_CTRL: Q31.1 R206.2 R214.2 R226.2
LX_SQ1: C189.2 L29.1 U42.17
LX_SQ2: C104.2 L26.1 U32.17
M2_SDIO_CLK: J20.9 R81.1
M2_SDIO_CMD: J20.11 R231.1
M2_SDIO_D0: J20.13 R227.1
M2_SDIO_D1: J20.15 R223.1
M2_SDIO_D2: J20.17 R202.1
M2_SDIO_D3: J20.19 R195.1
M2_USB2_AP_N: D40.2 J20.5 L27.1 R184.1
M2_USB2_AP_P: D42.2 J20.3 L27.4 R183.1
M2E_ALERT*: J11.212 J20.62 R124.2
M2E_SUSCLK_32KHZ: J20.50 R106.2 U16.4(Y)
M2M_ALERT*: J18.44 R108.2 R213.1
M2M_SUSCLK_32KHZ: J18.68(SUSCLK(32KHZ) (O)(0/3.3V)) R268.2
MCT: C9.1 J6.4 J6.5
MCU_ADC0: Q23.2(S) R147.1 U29.38
MCU_ADC1: C200.1 R262.2 R263.1 U29.39
MCU_ADC2: Q20.2(S) R137.1 U29.40
MCU_ADC3: TP29.1(TP) U29.41
MCU_I2C0_SCL: Q21.3 R138.2 U29.3
MCU_I2C0_SDA: Q18.3 R133.2 U29.2
MCU_I2C1_SCL: R146.2 TP31.1(TP) U29.5
MCU_I2C1_SDA: R136.2 TP32.1(TP) U29.4
MCU_RST: C145.1 D41.1 D55.2 FB5.1 J17.4 R201.2
MCU_UART1_RX: J17.9 U29.7
MCU_UART1_TX: J17.10 U29.6
MCU_USB_DN: R120.1 U20.7
MCU_USB_DP: R121.1 U20.1
MOD_SLEEP*: J11.178 R87.1 R97.1 R206.1
MODE_SQ1: R252.1 U42.3
MODE_SQ2: R149.1 U32.3
MR: R172.2 U31.3
PC_LED-: J15.1 R230.1
PCIE0_CLK_N: J11.160 J18.53
PCIE0_CLK_P: J11.162 J18.55
PCIE0_CLKREQ: J11.180 J18.52
PCIE0_RST: J11.181 J18.50 R72.2
PCIE0_RX0_N: J11.131 J18.41
PCIE0_RX0_P: J11.133 J18.43
PCIE0_RX1_N: J11.137 J18.29
PCIE0_RX1_P: J11.139 J18.31
PCIE0_RX2_N: J11.149 J18.17
PCIE0_RX2_P: J11.151 J18.19
PCIE0_RX3_N: J11.155 J18.5
PCIE0_RX3_P: J11.157 J18.7
PCIE0_TX0_M2_N: C170.1 J18.47
PCIE0_TX0_M2_P: C172.1 J18.49
PCIE0_TX0_N: C170.2 J11.134
PCIE0_TX0_P: C172.2 J11.136
PCIE0_TX1_M2_N: C173.1 J18.35
PCIE0_TX1_M2_P: C171.1 J18.37
PCIE0_TX1_N: C173.2 J11.140
PCIE0_TX1_P: C171.2 J11.142
PCIE0_TX2_M2_N: C176.1 J18.23
PCIE0_TX2_M2_P: C174.1 J18.25
PCIE0_TX2_N: C176.2 J11.148
PCIE0_TX2_P: C174.2 J11.150
PCIE0_TX3_M2_N: C177.1 J18.11
PCIE0_TX3_M2_P: C175.1 J18.13
PCIE0_TX3_N: C177.2 J11.154
PCIE0_TX3_P: C175.2 J11.156
PCIE1_CLK_N: J11.173 J20.49
PCIE1_CLK_P: J11.175 J20.47
PCIE1_CLKREQ: J11.182 J20.53 R99.2
PCIE1_M2_TX0_N: C65.1 J20.37
PCIE1_M2_TX0_P: C66.1 J20.35
PCIE1_RST: J11.183 J20.52 R153.2
PCIE1_RX0_N: J11.167 J20.43
PCIE1_RX0_P: J11.169 J20.41
PCIE1_TX0_N: C65.2 J11.172
PCIE1_TX0_P: C66.2 J11.174
PCIE_WAKE: J11.179 J18.54 J20.55 R100.2
POE_VC1: J6.11 J8.1
POE_VC2: J6.12 J8.2
POE_VC3: J6.13 J8.4
POE_VC4: J6.14 J8.3
POWER_EN: J11.237 Q7.1 Q10.1 R170.1 U35.4(Y)
PWM_EN: Q30.1 Q32.3 R217.2
PWR_BTN*: D32.2(C) D46.2 J11.240 J15.12 R224.2
PWR_LED_CTRL: J11.127 R103.1 R214.1
QSPI_CSN: R111.2 R117.1 U22.1 U23.1 U29.56
QSPI_SCLK: U22.6 U23.6 U29.52
QSPI_SD0: U22.5 U23.5 U29.53
QSPI_SD1: U22.2 U23.2 U29.55
QSPI_SD2: U22.3(W\P\_IO2) U23.3(W\P\_IO2) U29.54
QSPI_SD3: U22.7 U23.7 U29.51
RP2040_XIN: C157.1 U29.20 X1.3
RP2040_XOUT: R185.2 U29.21
RUN: FB5.2 U29.26
SDIO_CLK: J11.229 R81.2
SDIO_CMD: J11.227 R231.2
SDIO_D0: J11.219 R227.2
SDIO_D1: J11.221 R213.2 R223.2
SDIO_D2: J11.223 R202.2
SDIO_D3: J11.225 R195.2
SHUTDOWN_REQ*: D34.2(C) J11.233 R163.2 R269.2
SNN_DP_CEC: J5.B14 R5.1
SPI0_CS0: J11.95 U19.5
SPI0_CS0_LS: J10.24 U19.16
SPI0_CS1: J11.97 U19.6
SPI0_CS1_LS: J10.26 U19.15
SPI0_MISO: J11.93 U19.3
SPI0_MISO_LS: J10.21 U19.18
SPI0_MOSI: J11.89 U19.4
SPI0_MOSI_LS: J10.19 U19.17
SPI0_SCK: J11.91 U19.1
SPI0_SCK_LS: J10.23 U19.20
SPI1_CS0: J11.110 U21.5
SPI1_CS0_LS: J10.18 U21.16
SPI1_CS1: J11.112 U21.6
SPI1_CS1_LS: J10.16 U21.15
SPI1_MISO: J11.108 U21.3
SPI1_MISO_LS: J10.22 U21.18
SPI1_MOSI: J11.104 U21.4
SPI1_MOSI_LS: J10.37 U21.17
SPI1_SCK: J11.106 U21.1
SPI1_SCK_LS: J10.13 U21.20
SS_SQ1: C190.1 U42.4
SS_SQ2: C123.1 U32.4
SUSCLK_32KHZ: J11.210 U16.2
SW_1V05: L28.1 U38.2(SW)
SWCLK: J17.8 U29.24
SWDIO: J17.6 U29.25
SYS_RESET: D11.2 FB1.1 J11.239
SYS_RST*: C162.1 D48.2 FB1.2 J15.8 R221.1 U34.2
TYPE C_USB_DN: D7.2 J1.A7 J1.B7 U20.5